# KiCad board Smoothie2Standard.kicad_pcb (continued)
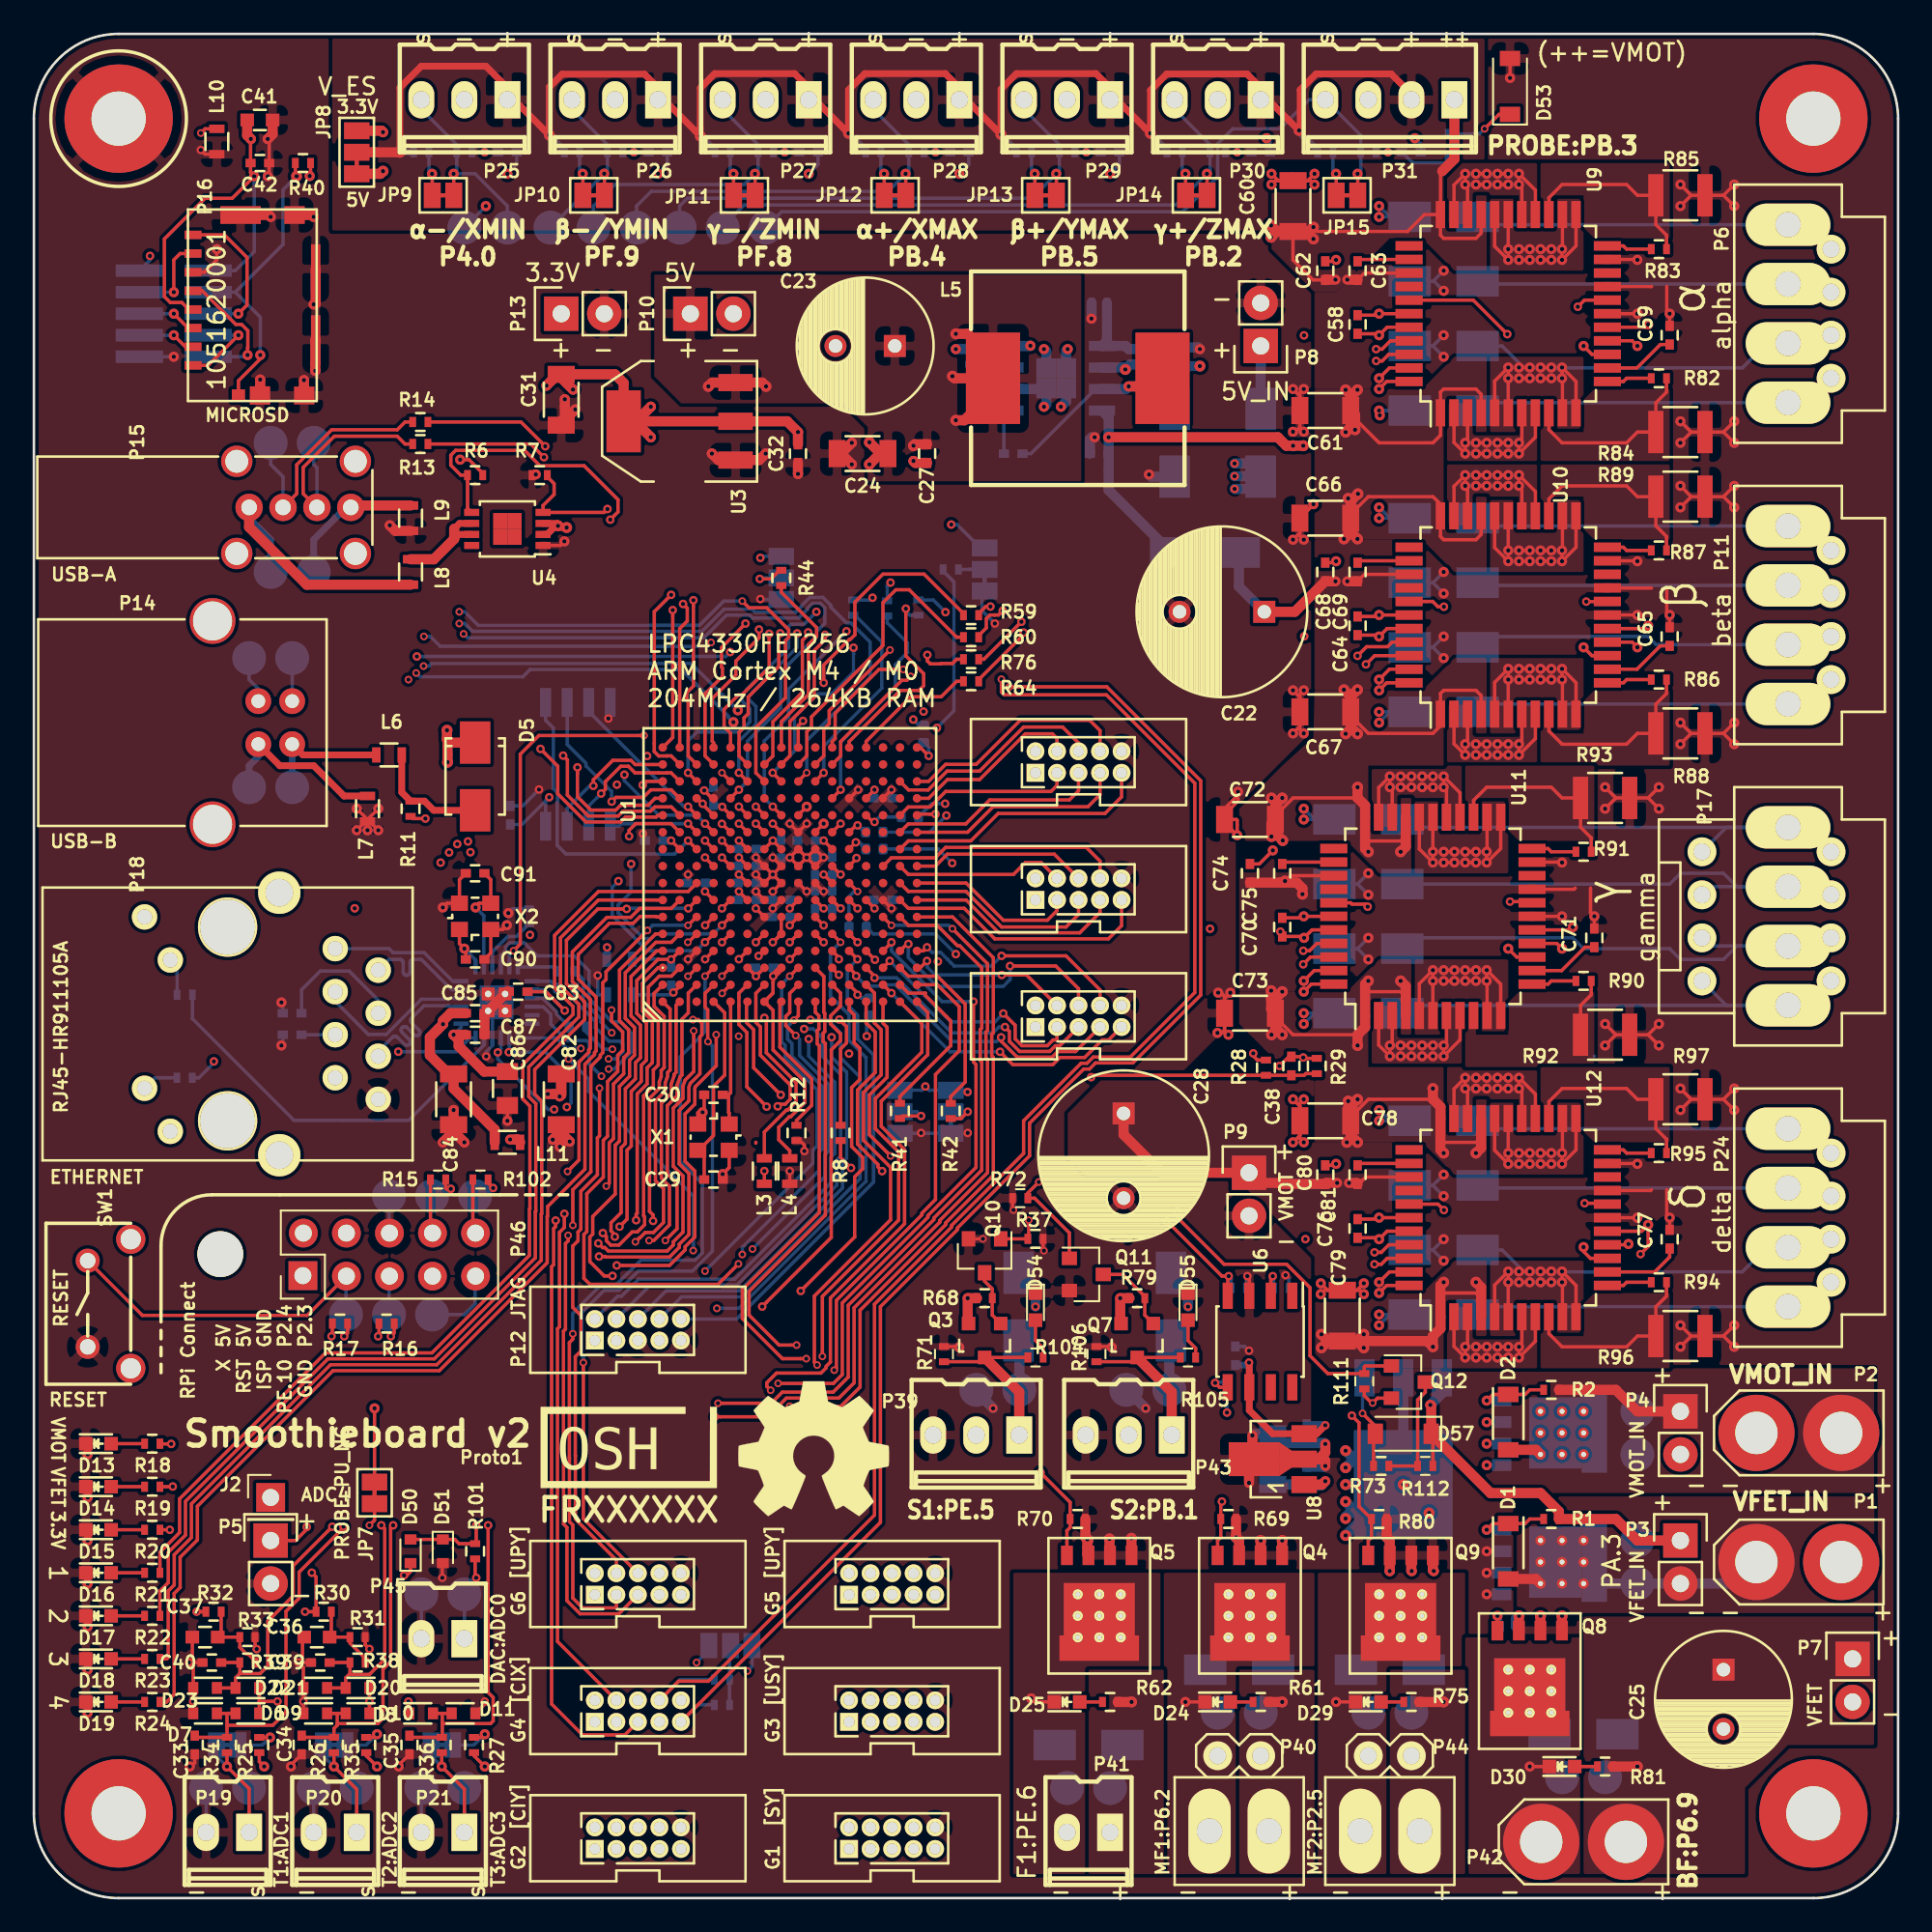
[diagram p0: board, top side]
## Routing (per net, layer and track width the routed paths; a pad name or vN(x,y) marks a point on that pad's centre or on a via; arc(x,y) is an arc through that point) (continued)
  Bottom w0.2: v3(87,96.67) v3(87.63,96.67) ; v3(88.27,96.67) v3(88.9,96.67) ; v3(90.17,96.67) v3(89.53,96.67) ; v3(87,97.3) v3(87.63,97.3) ; v3(88.27,97.3) v3(88.9,97.3) ; v3(89.53,97.3) v3(90.17,97.3) ; D36.1 85.34,95.24 P6.3
/M1_OA1: length 38.4
  Top w0.2: P11.1 104.6,70.46 P11.1 ; v3(85.09,67.46) v3(85.72,67.46) ; v3(86.36,67.46) v3(87,67.46) ; v3(87,68.09) v3(86.36,68.09) ; v3(85.72,68.09) v3(85.09,68.09) ; 84.59,69.86 84.59,68.23 v3(84.46,68.09) v3(84.46,67.46) 83.79,68.12 U10.2 ; 88.59,69.86 88.59,68.42 v3(87.63,67.46) v3(87.63,68.09) 87.79,68.26 U10.7
  Bottom w0.2: v3(84.46,67.46) v3(85.09,67.46) ; v3(85.72,67.46) v3(86.36,67.46) ; v3(87,67.46) v3(87.63,67.46) ; v3(87.63,68.09) v3(87,68.09) ; v3(86.36,68.09) v3(85.72,68.09) ; v3(85.09,68.09) v3(84.46,68.09) ; D38.1 85.65,70.46 P11.1
/M1_OA2: length 39.3
  Top w0.2: P11.2 105.56,73.96 P11.2 ; v3(87.63,71.9) v3(88.27,71.9) ; v3(88.9,71.9) v3(89.53,71.9) ; v3(89.53,72.53) v3(88.9,72.53) ; v3(88.27,72.53) v3(87.63,72.53) ; U10.6 v3(87,71.9) v3(87,72.53) 86.19,71.74 U10.5 ; U10.11 91,71.71 v3(90.17,72.53) v3(90.17,71.9) 90.19,71.88 U10.10
  Bottom w0.2: v3(87,71.9) v3(87.63,71.9) ; v3(88.27,71.9) v3(88.9,71.9) ; v3(89.53,71.9) v3(90.17,71.9) ; v3(90.17,72.53) v3(89.53,72.53) ; v3(88.9,72.53) v3(88.27,72.53) ; v3(87.63,72.53) v3(87,72.53) ; D39.1 85.82,74.44 95.25,74.44 95.73,73.96 P11.2
/M1_OB1: length 38.4
  Top w0.2: P11.4 104.6,80.96 P11.4 ; v3(85.09,83.97) v3(85.72,83.97) ; v3(86.36,83.97) v3(87,83.97) ; v3(87,83.33) v3(86.36,83.33) ; v3(85.72,83.33) v3(85.09,83.33) ; 88.59,81.56 88.59,83 v3(87.63,83.97) v3(87.63,83.33) 87.79,83.17 U10.27 ; U10.32 83.79,83.31 v3(84.46,83.97) v3(84.46,83.33) 84.59,83.19 84.59,81.56
  Bottom w0.2: v3(84.46,83.97) v3(85.09,83.97) ; v3(85.72,83.97) v3(86.36,83.97) ; v3(87,83.97) v3(87.63,83.97) ; v3(87.63,83.33) v3(87,83.33) ; v3(86.36,83.33) v3(85.72,83.33) ; v3(85.09,83.33) v3(84.46,83.33) ; D41.1 85.65,80.96 P11.4
/M1_OB2: length 38.9
  Top w0.2: P11.3 105.56,77.46 P11.3 ; v3(87.63,78.89) v3(88.27,78.89) ; v3(88.9,78.89) v3(89.53,78.89) ; v3(89.53,79.52) v3(88.9,79.52) ; v3(88.27,79.52) v3(87.63,79.52) ; U10.28 v3(87,79.52) v3(87,78.89) 86.19,79.69 U10.29 ; U10.24 90.19,79.55 v3(90.17,79.52) v3(90.17,78.89) 91,79.71 U10.23
  Bottom w0.2: v3(87,78.89) v3(87.63,78.89) ; v3(88.27,78.89) v3(88.9,78.89) ; v3(89.53,78.89) v3(90.17,78.89) ; v3(90.17,79.52) v3(89.53,79.52) ; v3(88.9,79.52) v3(88.27,79.52) ; v3(87.63,79.52) v3(87,79.52) ; D40.1 85.34,77.46 P11.3
/M2_OA1: length 48.5
  Top w0.2: P17.1 104.6,52.68 P17.1 ; v3(80.65,49.68) v3(81.28,49.68) ; v3(81.91,49.68) v3(82.55,49.68) ; v3(82.55,50.31) v3(81.91,50.31) ; v3(81.28,50.31) v3(80.65,50.31) ; U11.7 83.35,50.48 v3(83.19,50.31) v3(83.19,49.68) 84.15,50.64 U11.8 ; U11.2 79.35,50.34 v3(80.01,49.68) v3(80.01,50.31) 80.15,50.45 U11.3
  Bottom w0.2: v3(80.01,49.68) v3(80.65,49.68) ; v3(81.28,49.68) v3(81.91,49.68) ; v3(82.55,49.68) v3(83.19,49.68) ; v3(83.19,50.31) v3(82.55,50.31) ; v3(81.91,50.31) v3(81.28,50.31) ; v3(80.65,50.31) v3(80.01,50.31) ; D42.1 81.2,52.68 P17.1 99.87,52.68 P17.1
/M2_OA2: length 49.6
  Top w0.2: P17.2 105.56,56.18 P17.2 ; v3(83.19,54.76) v3(83.82,54.76) ; v3(84.46,54.76) v3(85.09,54.76) ; v3(85.09,54.12) v3(84.46,54.12) ; v3(83.82,54.12) v3(83.19,54.12) ; U11.11 86.55,53.93 v3(85.72,54.76) v3(85.72,54.12) 85.75,54.09 U11.10 ; U11.5 81.75,53.96 v3(82.55,54.76) v3(82.55,54.12) U11.6
  Bottom w0.2: v3(82.55,54.76) v3(83.19,54.76) ; v3(83.82,54.76) v3(84.46,54.76) ; v3(85.09,54.76) v3(85.72,54.76) ; v3(85.72,54.12) v3(85.09,54.12) ; v3(84.46,54.12) v3(83.82,54.12) ; v3(83.19,54.12) v3(82.55,54.12) ; D43.1 81.37,56.66 90.81,56.66 91.44,56.03 96.52,56.03 97.16,55.39 99.69,55.39 100.49,56.18 P17.2 98.91,56.18 P17.2
/M2_OB1: length 48.5
  Top w0.2: P17.4 104.6,63.18 P17.4 ; v3(80.65,66.19) v3(81.28,66.19) ; v3(81.91,66.19) v3(82.55,66.19) ; v3(82.55,65.55) v3(81.91,65.55) ; v3(81.28,65.55) v3(80.65,65.55) ; U11.32 79.35,65.53 v3(80.01,66.19) v3(80.01,65.55) 80.15,65.41 U11.31 ; U11.26 84.15,65.22 v3(83.19,66.19) v3(83.19,65.55) 83.35,65.39 U11.27
  Bottom w0.2: v3(80.01,66.19) v3(80.65,66.19) ; v3(81.28,66.19) v3(81.91,66.19) ; v3(82.55,66.19) v3(83.19,66.19) ; v3(83.19,65.55) v3(82.55,65.55) ; v3(81.91,65.55) v3(81.28,65.55) ; v3(80.65,65.55) v3(80.01,65.55) ; D45.1 81.2,63.18 P17.4 99.87,63.18 P17.4
/M2_OB2: length 49.1
  Top w0.2: P17.3 105.56,59.68 P17.3 ; v3(83.19,61.11) v3(83.82,61.11) ; v3(84.46,61.11) v3(85.09,61.11) ; v3(85.09,61.74) v3(84.46,61.74) ; v3(83.82,61.74) v3(83.19,61.74) ; U11.23 86.55,61.93 v3(85.72,61.11) v3(85.72,61.74) 85.75,61.77 U11.24 ; U11.29 81.75,61.91 v3(82.55,61.11) v3(82.55,61.74) U11.28
  Bottom w0.2: v3(82.55,61.11) v3(83.19,61.11) ; v3(83.82,61.11) v3(84.46,61.11) ; v3(85.09,61.11) v3(85.72,61.11) ; v3(85.72,61.74) v3(85.09,61.74) ; v3(84.46,61.74) v3(83.82,61.74) ; v3(83.19,61.74) v3(82.55,61.74) ; D44.1 96.52,59.84 97.16,60.47 99.69,60.47 100.49,59.68 P17.3 98.91,59.68 P17.3
/M3_OA1: length 38.4
  Top w0.2: P24.1 104.6,34.9 P24.1 ; v3(85.09,31.9) v3(85.72,31.9) ; v3(86.36,31.9) v3(87,31.9) ; v3(87,32.53) v3(86.36,32.53) ; v3(85.72,32.53) v3(85.09,32.53) ; 88.59,34.3 88.59,32.86 v3(87.63,31.9) v3(87.63,32.53) 87.79,32.7 U12.7 ; 84.59,34.3 84.59,32.67 v3(84.46,32.53) v3(84.46,31.9) 83.79,32.56 U12.2
  Bottom w0.2: v3(84.46,31.9) v3(85.09,31.9) ; v3(85.72,31.9) v3(86.36,31.9) ; v3(87,31.9) v3(87.63,31.9) ; v3(87.63,32.53) v3(87,32.53) ; v3(86.36,32.53) v3(85.72,32.53) ; v3(85.09,32.53) v3(84.46,32.53) ; D46.1 85.65,34.9 P24.1
/M3_OA2: length 39.9
  Top w0.2: P24.2 105.56,38.4 P24.2 ; v3(87.63,36.98) v3(88.27,36.98) ; v3(88.9,36.98) v3(89.53,36.98) ; v3(89.53,36.34) v3(88.9,36.34) ; v3(88.27,36.34) v3(87.63,36.34) ; U12.5 86.19,36.18 v3(87,36.98) v3(87,36.34) U12.6 ; U12.11 91,36.15 v3(90.17,36.98) v3(90.17,36.34) 90.19,36.32 U12.10
  Bottom w0.2: v3(87,36.98) v3(87.63,36.98) ; v3(88.27,36.98) v3(88.9,36.98) ; v3(89.53,36.98) v3(90.17,36.98) ; v3(90.17,36.34) v3(89.53,36.34) ; v3(88.9,36.34) v3(88.27,36.34) ; v3(87.63,36.34) v3(87,36.34) ; D47.1 86.63,38.25 87.93,36.95 100.81,36.95 102.25,38.4 P24.2
/M3_OB1: length 38.4
  Top w0.2: P24.4 104.6,45.4 P24.4 ; v3(85.09,48.41) v3(85.72,48.41) ; v3(86.36,48.41) v3(87,48.41) ; v3(87,47.77) v3(86.36,47.77) ; v3(85.72,47.77) v3(85.09,47.77) ; U12.32 83.79,47.75 v3(84.46,48.41) v3(84.46,47.77) 84.59,47.63 84.59,46 ; 88.59,46 88.59,47.44 v3(87.63,48.41) v3(87.63,47.77) 87.79,47.61 U12.27
  Bottom w0.2: v3(84.46,48.41) v3(85.09,48.41) ; v3(85.72,48.41) v3(86.36,48.41) ; v3(87,48.41) v3(87.63,48.41) ; v3(87.63,47.77) v3(87,47.77) ; v3(86.36,47.77) v3(85.72,47.77) ; v3(85.09,47.77) v3(84.46,47.77) ; D49.1 85.65,45.4 P24.4
/M3_OB2: length 38.9
  Top w0.2: P24.3 105.56,41.9 P24.3 ; v3(87.63,43.33) v3(88.27,43.33) ; v3(88.9,43.33) v3(89.53,43.33) ; v3(89.53,43.96) v3(88.9,43.96) ; v3(88.27,43.96) v3(87.63,43.96) ; U12.24 90.19,43.98 v3(90.17,43.96) v3(90.17,43.33) 91,44.15 U12.23 ; U12.28 v3(87,43.96) v3(87,43.33) 86.19,44.12 U12.29
  Bottom w0.2: v3(87,43.33) v3(87.63,43.33) ; v3(88.27,43.33) v3(88.9,43.33) ; v3(89.53,43.33) v3(90.17,43.33) ; v3(90.17,43.96) v3(89.53,43.96) ; v3(88.9,43.96) v3(88.27,43.96) ; v3(87.63,43.96) v3(87,43.96) ; D48.1 85.34,41.9 P24.3
/MCU_ADC0: length 46.8
  Top w0.2: D50.2 D51.1 24.84,21.17 25.09,20.92 R101.1 26.1,20.98 v2(26.1,22) ; U1.E3 41.09,54.89 v4(40.6,54.4) ; v4(40.26,50.95) 40.26,49.11 39.04,47.89 39,47.79 39,46.85 38.43,46.28 38.43,43.48 39,42.9 39,39.01 38.43,38.44 38.43,38.25 37.51,37.33 v2(34.39,37.33)
  In3.Cu w0.2: v2(26.1,22) 26.1,29.38 34.05,37.33 v2(34.39,37.33) ; v4(40.6,54.4) 40.01,53.81 40.01,52.4 40.26,52.15 v4(40.26,50.95)
/MCU_ADC1: length 66.8
  Top w0.2: C33.1 9.59,9.48 11.39,9.48 11.39,10.2 ; v4(38.93,51.17) 38.93,48.77 38.43,48.27 38.3,47.91 38.3,47.19 37.73,46.61 37.73,43.19 38.3,42.61 38.3,39.3 37.73,38.73 37.73,38.54 37.37,38.18 33.89,38.18 33.69,38.39 33.55,38.39 v2(33.3,38.64) ; v2(18.27,21.92) 18.27,21.86 15.65,19.24 15.65,17.69 14.88,16.92 14.88,10.98 14.1,10.2 11.39,10.2 ; 11.39,10.2 11.39,10.9 D6.2 D7.1 ; U1.C3 38.61,54.4 v4(38.6,54.4)
  In3.Cu w0.2: v4(38.93,51.17) 39.36,51.6 39.36,52.06 38.6,52.83 v4(38.6,54.4) ; v2(18.27,21.92) 18.27,23.59 33.3,38.62 v2(33.3,38.64)
/MCU_ADC2: length 60.4
  Top w0.2: C34.1 15.9,9.48 17.71,9.48 17.71,10.01 17.9,10.2 17.9,10.3 ; 17.9,10.9 D8.2 ; 17.9,10.9 D9.1 ; 17.9,10.9 17.9,10.3 ; 17.9,10.3 20.3,10.3 20.6,10.6 20.6,13.51 21.05,13.96 21.05,21.85 21.14,21.94 21.14,21.95 v2(21.2,22) ; U1.A4 36.75,55.89 35.23,54.38 35.23,52.06 35.79,51.5 35.79,49.59 35.5,49.3 35.5,48.35 34.9,47.75 34.9,44.53 34.65,44.28 34.65,40.45 34.05,39.85 34.05,39.37 34.28,39.15 v2(34.28,39.03)
  In3.Cu w0.2: v2(21.2,22) 21.2,24.97 34.28,38.05 v2(34.28,39.03)
/MCU_ADC3: length 61.2
  Top w0.2: C35.1 22.26,9.48 24.07,9.48 24.1,9.52 24.1,10.3 ; 24.1,10.9 D11.1 ; 24.1,10.9 24.1,10.3 ; 24.1,10.9 D10.2 ; v2(34.14,36.71) 33.65,36.71 32.8,37.56 32.8,39.01 32.97,39.18 32.97,40.22 34.3,41.54 34.3,44.42 34.55,44.67 34.55,47.89 35.15,48.49 35.15,49.44 35.44,49.73 35.44,51.37 34.89,51.92 34.89,54.6 36.7,56.4 37.61,56.4 U1.B5 ; 24.1,10.3 26.95,10.3 27.1,10.45 27.1,11.84 26.8,12.14 v2(26.8,22)
  In3.Cu w0.2: v2(26.8,22) 26.8,29.37 v2(34.14,36.71)
/MCU_ADC4: length 47.8
  Top w0.2: v4(36.2,57.1) 33.76,54.66 33.76,54.2 33.57,54.01 33.57,49.89 33.42,49.74 33.42,49.63 32.86,49.07 32.86,42.86 31.8,41.8 v4(31.8,39.7) ; v4(38.6,57.4) 39.09,57.89 U1.C6
  In3.Cu w0.2: J2.1 16.84,23.64 32.02,38.82 32.02,39.48 v4(31.8,39.7)
  Bottom w0.2: v4(36.2,57.1) 36.5,57.4 v4(38.6,57.4)
/MCU_ADC5: length 59.9
  Top w0.2: 12.15,13.25 11.9,13 D22.2 D23.1 ; 12.15,13.25 R39.2 11.15,13.9 ; 12.15,13.25 13.35,13.25 13.8,13.7 13.8,16.34 15.3,17.84 15.3,19.61 v2(17.61,21.92) ; U1.B3 37.61,54.4 36.9,54.4 36.25,53.76 36.25,52.48 36.84,51.89 36.84,49.15 36.55,48.86 36.55,47.91 35.98,47.34 35.98,40.26 36.04,40.2 36.04,39.73 35.61,39.31 35.3,39.31 34.52,38.53 34.04,38.53 33.78,38.79 33.78,39.03 v2(33.57,39.24)
  In3.Cu w0.2: v2(33.57,39.24) 33.07,39.24 32.8,38.98 32.8,38.61 17.61,23.42 v2(17.61,21.92)
/MCU_ADC6: length 61.6
  Top w0.2: v2(62.38,48.44) 62.49,48.55 R28.2 C38.1 74.95,48.55 75.05,48.65 R29.2 ; U1.A5 36.69,56.89 34.55,54.76 34.55,51.78 35.09,51.24 35.09,49.88 34.8,49.59 34.8,48.64 34.2,48.04 34.2,44.82 33.95,44.57 33.95,42.19 v4(33.78,42.01)
  In3.Cu w0.2: v2(62.38,48.44) 58.52,44.58 44.06,44.58 42.75,43.27 35.03,43.27 v4(33.78,42.01)
/MCU_ADC7: length 62.4
  Top w0.2: 18.65,13.25 18.4,13 D20.2 D21.1 ; 18.65,13.25 R38.2 17.65,13.9 ; 18.65,13.25 18.7,13.2 19.8,13.2 20.7,14.1 20.7,21.8 v2(20.5,22) ; v2(33.35,37.86) 33.7,37.86 33.73,37.83 37.51,37.83 38.08,38.4 38.08,38.58 38.65,39.15 38.65,42.76 38.08,43.33 38.08,46.47 38.65,47.04 38.65,47.85 38.73,48.08 39.3,48.64 39.3,50.82 39.41,50.93 39.41,51.63 39.21,51.84 v4(38.89,51.84) ; U1.C5 38.61,56.4 v4(38.59,56.4)
  In3.Cu w0.2: v4(38.89,51.84) 38.66,52.06 38.4,52.06 37.02,53.45 37.02,55.51 37.9,56.4 v4(38.59,56.4) ; v2(33.35,37.86) 20.5,25.01 v2(20.5,22)
/MCU_BOOT0_SEL: length 2.7
  Top w0.2: R41.2 51.25,46.15 v2(52.35,46.15)
  Bottom w0.2: v2(52.35,46.15) 52.1,46.4 JP6.2
/MCU_BOOT1_SEL: length 2.2
  Top w0.2: R42.2 54.7,46 v2(55.1,46.4)
  Bottom w0.2: v2(55.1,46.4) JP17.2
/MCU_BOOT2_SEL: length 2.5
  Bottom w0.2: 55.15,78.4 JP5.2 R43.2
/MCU_BOOT3_SEL: length 2.8
  Top w0.2: v2(42.83,77.84) 43.49,77.84 44,78.35 R44.2
  Bottom w0.2: v2(42.83,77.84) 42.89,77.9 JP16.2
/MCU_DBGEN: length 11.2
  Top w0.2: U1.L4 47.5,55.5 v2(47.5,55.4) ; v2(47.53,51.84) 47.95,51.43 47.95,50.45 47.6,50.11 R8.2
  In3.Cu w0.2: v2(47.5,55.4) 48,54.9 48,52.31 v2(47.53,51.84)
/MCU_G0_4: length 16.9
  Top w0.2: U1.P2 v2(50.6,53.4) ; v2(57.01,49.94) 57.77,49.18 60.12,49.18 60.54,49.6 62,49.6 63.03,50.63 63.41,50.63 G7.9
  Bottom w0.2: v2(57.01,49.94) 54.06,49.94 v2(50.6,53.4)
/MCU_G0_11: length 9.7
  Top w0.2: U1.T3 52.29,54.89 v2(52.7,55.3) ; v2(57.11,54.47) 58.57,54.47 G7.4
  Bottom w0.2: v2(57.11,54.47) 53.17,54.47 52.7,54.95 v2(52.7,55.3)
/MCU_G1_1: length 15.9
  Top w0.2: U1.R7 51.6,58.4 54.9,58.4 56.7,56.6 63.4,56.6 64.18,57.38 G8.9
/MCU_G1_2: length 12.8
  Top w0.2: G8.7 62.91,58.16 61.71,56.96 56.94,56.96 55.01,58.89 U1.T7
/MCU_G1_3: length 12.8
  Top w0.2: U1.R8 51.6,59.4 55,59.4 57.1,57.3 60.9,57.3 61.64,58.04 G8.5
/MCU_G1_4: length 10.4
  Top w0.2: G8.6 60.21,61.6 53.9,61.6 53.19,60.89 U1.T9
/MCU_G1_5: length 10.1
  Top w0.2: G8.4 59.44,61.1 58.5,61.1 57.8,60.4 51.6,60.4 U1.R9
/MCU_G1_6: length 15.8
  Top w0.2: U1.R10 51.6,62.39 55.29,62.39 56.9,64 63.2,64 64.18,64.98 G9.9
/MCU_G1_7: length 12.6
  Top w0.2: U1.R11 51.6,63.38 54.98,63.38 56.4,64.8 61.1,64.8 61.64,65.34 G9.5
/MCU_G1_9: length 13.3
  Top w0.2: U1.T4 52.49,55.89 v2(52.7,56.1) ; G7.8 62.91,53.59 60.9,55.6 v2(57.1,55.6)
  Bottom w0.2: v2(57.1,55.6) 56.5,55 54.3,55 53.5,55.8 53,55.8 v2(52.7,56.1)
/MCU_G2_0: length 58.4
  Top w0.2: v2(39.6,56.4) 39.61,56.4 U1.D5
  In3.Cu w0.2: v2(26.6,103.02) 27.3,102.31 27.3,95.17 26.7,94.57 26.7,79.23 28.28,77.65 28.28,67.22 29.24,66.26 30.19,66.26 30.64,65.81 30.79,65.81 31.26,65.34 31.26,64.89 33.82,62.33 33.82,61.26 33.85,61.24 33.85,61.17 34.49,60.53 v2(34.49,60.01)
  Bottom w0.2: v2(39.6,56.4) 39.1,55.9 36.2,55.9 34.13,57.98 34.13,59.64 v2(34.49,60.01) ; C43.1 v2(26.6,103.02) R45.1
/MCU_G2_1: length 37.7
  Top w0.2: U1.A1 37.54,52.46 37.54,48.86 37.39,48.72 37.39,48.49 37.25,48.1 37.25,47.62 36.68,47.05 36.68,42.33 37.15,41.86 37.15,39.87 36.56,39.27 36.07,39.27 35.75,38.95 35.72,38.95 v4(35.49,38.73)
  In3.Cu w0.2: G6.8 38.95,21.21 38.95,35.27 v4(35.49,38.73)
/MCU_G2_2: length 47.8
  Top w0.2: v4(31.8,33.3) 31.8,32.98 31.6,32.78 31.6,25.96 31.6,25.96 31.6,22.22 31.8,22.02 31.8,17.7 32.38,17.13 34.34,17.13 34.37,17.16 G6.3 ; v4(39.6,54.4) 40.09,54.89 U1.D3
  Bottom w0.2: v4(31.8,33.3) 31.8,34.51 33.5,36.21 34.38,36.21 35.81,37.64 39.01,37.64 39.44,38.07 39.44,42.16 38.15,43.45 38.15,49.65 39.37,50.88 39.37,50.91 39.6,51.14 v4(39.6,54.4)
/MCU_G2_3: length 41.6
  Top w0.2: U1.C2 38.61,53.4 38.61,52.23 38.24,51.86 38.24,48.58 38.13,48.46 37.95,47.97 37.95,47.33 37.38,46.76 37.38,42.72 37.95,42.15 37.95,39.49 v4(37.26,38.8)
  In3.Cu w0.2: G6.7 37.68,17.13 38.55,17.13 39.8,18.37 39.8,28.1 39.73,28.17 39.73,28.63 39.8,28.7 39.8,35.75 37.26,38.29 v4(37.26,38.8)
/MCU_G2_4: length 38.1
  Top w0.2: v4(36.3,38.8) 36.58,38.8 37.5,39.72 37.5,42.01 37.03,42.48 37.03,46.9 37.6,47.48 37.6,48.03 37.77,48.5 37.77,48.6 37.89,48.72 37.89,52.68 U1.B1
  In3.Cu w0.2: v4(36.3,38.8) 36.3,38.48 39.4,35.38 39.4,28.8 39.38,28.77 39.38,28.03 39.4,28 39.4,19.12 G6.9
/MCU_G2_5: length 42.1
  Top w0.2: v4(39.77,50.54) 39.76,50.55 39.76,52.41 39.6,52.58 39.6,53.39 U1.D2 ; v4(32.42,31.6) 32.42,22.39 G6.6
  Bottom w0.2: v4(39.77,50.54) 40.04,50.27 40.04,38.18 38.86,37 35.66,37 34.53,35.86 33.65,35.86 32.32,34.53 32.32,32.02 32.42,31.92 v4(32.42,31.6)
/MCU_G2_7: length 10.7
  Top w0.2: U1.R12 51.6,64.38 52.88,64.38 53.8,65.3 60.01,65.3 60.37,65.66 G9.3
/MCU_G2_8: length 82.8
  Top w0.2: v2(91.5,41) 92.79,41 U12.18 ; v2(45.68,74.69) 45.68,74.55 45.35,74.22 45.35,71.16 43.61,69.42 43.61,67.39 U1.G15
  In3.Cu w0.2: v2(91.5,41) 86.5,41 84.2,43.3 84.2,44.2 80.42,47.98 77.54,47.98 72.38,53.14 72.38,53.95 72.85,54.42 72.85,60.31 71.67,61.49 71.67,66.75 59.86,78.56 55.58,78.56 55.46,78.44 51.95,78.44 51.22,79.17 49.87,79.17 47.16,76.46 47.16,75.55 46.65,75.04 46.43,75.04 46.07,74.69 v2(45.68,74.69)
/MCU_G2_9: length 15.9
  Top w0.2: U1.N3 49.6,54.4 v2(49.6,54.3) ; v2(57.3,51.4) 57.56,51.14 57.56,50.56 58.16,49.96 59.94,49.96 60.28,50.29 60.53,50.29 G7.5
  Bottom w0.2: v2(49.6,54.3) 50.91,54.3 54.15,51.06 56.61,51.06 56.95,51.4 v2(57.3,51.4)
/MCU_G2_10: length 14.3
  Top w0.2: G7.3 60.37,50.66 60.35,50.63 60.13,50.63 59.8,50.3 58.3,50.3 57.9,50.7 57.9,51.5 v2(57.2,52.2) ; v2(50.5,55.3) 50.11,54.91 U1.P3
  Bottom w0.2: v2(50.5,55.3) 54.1,51.7 56.7,51.7 v2(57.2,52.2)
/MCU_G2_11: length 14.7
  Top w0.2: v2(51.6,56.3) 51.51,56.3 U1.R4 ; G7.6 61.64,53.66 60.3,55 v2(57.6,55)
  Bottom w0.2: v2(51.6,56.3) 51.6,55.5 53.3,53.8 57.2,53.8 57.6,54.2 v2(57.6,55)
/MCU_G2_12: length 10
  Top w0.2: G8.3 60.37,58.27 59.8,57.7 57.2,57.7 55.01,59.89 U1.T8
/MCU_G2_13: length 14.6
  Top w0.2: U1.P9 50.6,61.38 53.18,61.38 53.8,62 62.1,62 62.91,61.19 G8.8
/MCU_G2_15: length 10.7
  Top w0.2: U1.T13 52.79,64.89 53.9,66 55.8,66 58.5,68.7 60.1,68.7 60.37,68.43 G9.4
/MCU_G3_1: length 13.1
  Top w0.2: U1.L13 47.11,64.91 v2(47.6,65.4)
  Bottom w0.2: v2(47.6,65.4) 47.6,68.21 50.82,71.43 50.82,72.77 51.55,73.5 51.55,74.05 50.35,75.25 R65.1
/MCU_G3_5: length 17.8
  Top w0.2: R60.1 54.45,74.4 51.65,77.2 50.86,77.2 50.1,76.44 50.1,73.92 45.88,69.7 45.88,69.1 45.61,68.83 45.61,67.39 U1.J15
/MCU_G3_6: length 75.2
  Top w0.2: U1.H15 44.61,67.39 44.61,69.43 46.05,70.87 46.05,73.62 46.68,74.25 v4(46.68,74.57) ; v2(79.1,38.1) 79.5,38.1 79.95,38.55 U12.41
  In3.Cu w0.2: v4(46.68,74.57) 47.51,75.39 47.51,76.31 50.02,78.82 51.08,78.82 51.8,78.09 55.61,78.09 55.72,78.21 59.71,78.21 70.45,67.47 70.45,62.21 72.5,60.16 72.5,54.57 72.03,54.1 72.03,50.51 72.45,50.09 72.45,45.63 78.3,39.78 78.3,38.91 v2(79.1,38.1)
/MCU_G3_7: length 79
  Top w0.2: U1.H12 v2(43.6,64.4) ; U12.42 79.85,37.75 79.5,37.4 v2(79.1,37.4)
  In3.Cu w0.2: v2(79.1,37.4) 77.95,38.55 77.95,39.64 71.45,46.14 71.45,52.38 71.68,52.61 71.68,54.24 72.15,54.71 72.15,60.02 70.1,62.07 70.1,67.33 59.57,77.86 55.87,77.86 55.75,77.74 51.66,77.74 50.93,78.47 50.16,78.47 47.94,76.26 v2(47.94,74.75)
  Bottom w0.2: v2(43.6,64.4) 43.09,64.91 43.09,68.27 44.53,69.71 44.53,71.34 v2(47.94,74.75)
/MCU_G3_8: length 73.3
  Top w0.2: v2(91.1,93.9) 91.49,94.29 U9.18 ; v2(38.3,76.36) 38.55,76.11 38.55,75.35 38.11,74.91 U1.B16
  In3.Cu w0.2: v2(91.1,93.9) 87.01,93.9 78.13,85.02 76.91,85.02 76.09,84.2 74.09,84.2 71.69,81.8 62.15,81.8 60.89,83.06 48.32,83.06 48.04,82.78 43.8,82.78 39.93,78.91 39.93,76.89 38.94,75.9 38.77,75.9 v2(38.3,76.36)
/MCU_G3_9: length 64.1
  Top w0.2: v2(74.9,55.9) 75.27,55.9 75.7,56.33 U11.41 ; U1.C14 v2(38.6,66.4)
  In3.Cu w0.2: v2(74.9,55.9) 74.4,56.4 74.4,57.42 74.2,57.62 74.2,59.47 74.45,59.72 74.45,60.32 73.82,60.95 73.2,60.95 72.37,61.78 72.37,67.33 61.42,78.28 61.13,78.28 60.15,79.26 55.29,79.26 55.17,79.14 52.24,79.14 51.51,79.87 49.58,79.87 46.17,76.46 v2(46.17,75.9)
  Bottom w0.2: v2(38.6,66.4) 38.6,68.29 39.12,68.81 41.65,68.81 42.25,69.41 42.25,70.17 41.8,70.62 41.8,71.03 42.08,71.31 42.08,71.34 44.54,73.8 44.54,75.03 44.67,75.16 45.43,75.16 v2(46.17,75.9)
/MCU_G3_10: length 138.5
  Top w0.2: v2(37.7,76) 37.7,68.48 U1.A16 ; U12.38 82.85,40.95 v2(83.2,40.6) ; v2(78.7,58.5) 78.55,58.65 77.78,58.65 77.7,58.73 U11.38 ; v2(86.94,92.28) 84.93,94.29 U9.38 ; v2(83.2,76.2) 82.85,76.2 82.54,76.51 U10.38
  In3.Cu w0.2: v2(37.7,76) 38.15,75.54 39.08,75.54 40.28,76.74 40.28,78.77 43.94,82.44 48.18,82.44 48.46,82.71 60.74,82.71 62.01,81.45 71.84,81.45 74.25,83.86 76.45,83.86 77.26,84.67 78.36,84.67 85.98,92.28 v2(86.94,92.28)
  In4.Cu w0.2: v2(86.94,92.28) 83.85,89.2 83.85,76.85 v2(83.2,76.2) 83.73,75.67 83.73,63.74 79.29,59.29 79.29,58.94 78.85,58.5 v2(78.7,58.5) 78.11,57.91 78.11,51.23 79.46,49.88 79.46,48.61 83.81,44.26 83.81,41.21 v2(83.2,40.6)
/MCU_G3_11: length 219.1
  Top w0.2: v3(95.25,92.86) 95.09,92.69 U9.16 ; v3(95.25,75.08) 95.09,74.91 U10.16 ; v3(90.81,57.3) 90.64,57.13 U11.16 ; U1.D12 39.46,64.54 v2(39.46,64.57) 39.14,64.89 U1.C13 ; v2(94.8,38) 95.25,38.45 v3(95.25,39.73) 94.87,39.35 U12.16
  In3.Cu w0.2: v3(95.25,92.86) 95.25,91.41 94.71,90.86 86.04,90.86 78.8,83.62 77.69,83.62 76.91,82.84 74.71,82.84 72.27,80.4 61.57,80.4 60.31,81.66 48.9,81.66 48.62,81.39 44.38,81.39 41.33,78.33 41.33,76.29 35.18,70.14 35.18,67.16 35.35,66.99 35.35,65.54 35.86,65.03 39,65.03 v2(39.46,64.57) ; 95.25,74.65 v3(95.25,75.08)
  In4.Cu w0.2: v2(94.8,38) 94.8,36.5 89.2,30.9 74.2,30.9 72.8,29.5 70,29.5 68.8,28.3 68.8,26.18 67.22,24.6 60.3,24.6 54.3,18.6 54.3,4.02 G1.9 ; v3(95.25,39.73) 95.25,52.85 v3(90.81,57.3) 90.81,59.2 95.25,63.65 v3(95.25,75.08) v3(95.25,92.86)
/MCU_G3_12: length 61.8
  Top w0.2: U1.C8 38.61,59.4 37.35,59.4 37.35,59.39 36.87,59.39 36.86,59.4 33.31,59.4 30.72,56.81 30.72,53.7 31.81,52.61 31.81,52.15 28.85,49.18 28.85,47.15 29.27,46.73 29.27,40.68 29.24,40.65 29.24,37.92 23.48,32.17 17.21,32.17 8.6,23.56 8.6,21.57 7.44,20.41 R21.1
/MCU_G3_13: length 61.7
  Top w0.2: U1.A7 33.3,58.89 31.07,56.66 31.07,53.83 32.15,52.75 32.15,51.99 29.2,49.04 29.2,47.29 29.62,46.88 29.62,40.54 29.59,40.51 29.59,37.78 23.63,31.82 17.35,31.82 8.95,23.41 8.95,21.42 7.93,20.41 7.93,18.62 7.44,18.12 R22.1
/MCU_G3_14: length 66.1
  Top w0.2: U1.C7 v2(38.61,58.4) ; R23.1 7.84,14.12 7.92,14.2 7.92,18.12 8.28,18.47 8.28,20.26 9.3,21.28 9.3,23.27 17.5,31.47 23.77,31.47 29.94,37.63 29.94,40.36 29.97,40.39 29.97,47.02 29.55,47.44 29.55,48.89 32.49,51.84 32.49,52.89 31.42,53.96 31.42,56.52 33.27,58.37 v2(34.98,58.37)
  Bottom w0.2: v2(34.98,58.37) 35.01,58.4 v2(38.61,58.4)
/MCU_G4_0: length 39.3
  Top w0.2: 41.1,56.9 v2(40.6,56.4)
  In4.Cu w0.2: v2(10.62,49.37) 10.62,52.56 15.97,57.9 26.61,57.9 28.14,56.37 28.53,56.37 28.63,56.27 29.83,56.27 30.37,56.81 35.45,56.81 36.36,55.9 40.1,55.9 v2(40.6,56.4)
  Bottom w0.2: R100.1 9.74,48.41 10.62,49.28 v2(10.62,49.37)
/MCU_G4_1: length 75.4
  Top w0.2: v3(12.07,92.22) 10.29,90.44 P16.1 ; 44.1,57.9 44.1,56.9 v2(43.6,56.4) 43.61,56.4 U1.H5
  In3.Cu w0.2: v3(12.07,92.22) 15.82,92.22 18.67,89.37 18.83,89.37 24.95,83.25 24.95,78.51 26.53,76.93 26.53,66.49 32.08,60.95 32.08,60.47 32.59,59.96 32.59,59.19 33.08,58.71 33.08,57.54 35.25,55.37 35.25,52.75 37,50.99 37,50.4 38.39,49.02 40.87,49.02 41.86,50 41.9,50 43.6,51.7 43.6,53.63 43.13,54.1 43.13,54.81 43.6,55.28 v2(43.6,56.4)
  Bottom w0.2: v3(12.07,92.22) P23.7
/MCU_G4_3: length 58
  Top w0.2: v4(44.6,54.4) 45.09,54.89 U1.J3
  In3.Cu w0.2: v4(39.6,37) 41.19,35.41 41.19,29.1 41.37,28.92 41.37,28.78 41.55,28.6 41.55,14.05 41.28,13.77 41.28,9.81 G2.6
  Bottom w0.2: v4(44.6,54.4) 44.13,53.93 44.13,50.53 44.33,50.33 44.33,49.59 46.21,47.7 46.21,44.38 45.96,44.13 45.96,43.36 v4(39.6,37)
/MCU_G4_4: length 63.8
  Top w0.2: U1.J2 44.6,53.39 44.6,52.26 44.37,52.03 44.37,51.48 v4(44.95,50.9)
  In3.Cu w0.2: G2.3 35.91,1.36 38.82,1.36 43.3,5.84 43.3,12.41 43.62,12.74 43.62,14.06 43.3,14.39 43.3,29.33 43.12,29.5 43.12,29.64 42.94,29.83 42.94,30.14 43.1,30.3 43.1,34.29 43.47,34.67 43.47,37.23 v4(42.4,38.3)
  Bottom w0.2: v4(42.4,38.3) 46.66,42.56 46.66,43.84 46.91,44.09 46.91,47.99 45.18,49.72 45.18,50.68 v4(44.95,50.9)
/MCU_G4_5: length 58.3
  Top w0.2: v4(44.84,51.8) 45.11,52.06 U1.J1
  In3.Cu w0.2: G2.7 37.75,2.06 38.53,2.06 42.6,6.13 42.6,12.7 42.92,13.03 42.92,13.77 42.6,14.1 42.6,29.04 42.42,29.21 42.42,29.35 42.24,29.54 42.24,30.43 42.4,30.59 42.4,37.38 v4(41.8,37.98)
  Bottom w0.2: v4(41.8,37.98) 41.8,38.4 46.31,42.92 46.31,43.99 46.56,44.23 46.56,47.85 44.72,49.68 44.72,50.43 44.48,50.67 44.48,51.43 v4(44.84,51.8)
/MCU_G4_6: length 45.7
  Top w0.2: U1.K3 46.61,54.39 46.61,52.26 46.67,52.21 46.67,51.13 46.57,51.04 46.57,50.56 46.7,50.43 46.7,40.3 42.2,35.8 42.2,34.4 43.97,32.63 v4(45,32.63)
  In3.Cu w0.2: G5.3 49.37,17.16 49.34,17.13 47.38,17.13 45.92,18.58 45.92,29.77 45.35,30.34 45.35,30.62 44.75,31.22 44.75,32.38 v4(45,32.63)
/MCU_G4_7: length 40.3
  Top w0.2: v4(45.58,31.83) 44.17,31.83 41.8,34.2 41.8,35.9 46.34,40.44 46.34,50.29 46.22,50.41 46.22,51.18 46.32,51.28 46.32,52.06 46.11,52.27 U1.K1
  In3.Cu w0.2: v4(45.58,31.83) 45.58,31.39 46.05,30.91 46.05,30.63 46.62,30.06 46.62,23.19 G5.6
/MCU_G4_8: length 98.8
  Top w0.2: v4(45.6,66.4) 45.11,65.91 U1.J14 ; v4(33.37,47.79) 33.37,44.98 33.25,44.86 33.25,42.69 32.27,41.71 32.27,39.47 32.1,39.3 32.1,38.78 31.8,38.48 31.8,34.86 32.27,34.38 32.27,32.28 31.95,31.95 31.95,26.11 31.95,26.1 31.95,22.37 34.37,19.95 G6.4
  In3.Cu w0.2: v4(33.37,47.79) 32.05,49.11 32.05,49.67 31.81,49.91 31.81,50.42 32.49,51.11 32.49,53.03 31.81,53.72 31.81,56.84 31.68,56.97 31.68,58.13 31.19,58.61 31.19,59.38 30.7,59.87 30.7,59.93 30.68,59.96 30.68,60.37 25.03,66.01 25.03,67.33 25,67.36 25,73.8 24.93,73.87 24.93,74.38 24.87,74.44 24.87,74.98 v4(25.1,75.21)
  Bottom w0.2: v4(25.1,75.21) 25.42,75.21 25.88,74.75 39.42,74.75 40.73,76.06 42.37,76.06 42.56,75.87 44.95,75.87 45.32,76.24 45.32,76.28 45.79,76.75 46.56,76.75 47.03,76.28 47.03,76.17 47.94,75.25 48.21,75.25 49.34,74.12 49.34,72.03 45.6,68.29 v4(45.6,66.4)
/MCU_G4_9: length 121.3
  Top w0.2: v4(50.51,73.65) 46.93,70.06 46.93,69.3 46.61,68.98 46.61,67.39 U1.K15 ; v4(31.53,39.1) 31.53,38.78 31.37,38.63 31.37,33.57 31.25,33.45 31.25,25.82 31.25,25.81 31.25,22.08 31.45,21.88 31.45,17.56 32.23,16.78 34.52,16.78 G6.5
  In3.Cu w0.2: v4(39.96,74.09) 39.96,73.77 40.71,73.02 41.32,73.02 41.91,73.61 47.35,73.61 47.42,73.55 47.85,73.55 48.12,73.28 50.15,73.28 v4(50.51,73.65) ; v4(31.53,39.1) 30.92,39.1 28.15,41.88 28.15,42.24 27.09,43.3 24.29,43.3 23.55,44.04 23.55,56.5 19.75,60.3 19.57,60.3 12.18,67.69 12.18,71.73 12.44,71.99 18.01,71.99 18.65,71.35 22.35,71.35 23.47,72.47 23.47,73.99 v4(23.01,74.45)
  Bottom w0.2: v4(23.01,74.45) 23.39,74.45 23.97,73.87 39.73,73.87 v4(39.96,74.09)
